# Altium PCB praxis_top_level_pcbdoc_v2.PcbDoc (part 3 of 4)
Units mm, origin at the board's own origin, x right, y up, seen from the top; angles counter-clockwise.
Board outline 152.4 x 79.5 mm, 4 copper layers (Top Layer, Int1 (GND), Int2 (PWR), Bottom Layer), stack 1.273 mm thick; 303 components, 266 nets, 1011 pads, 507 vias.
Unrouted connection lines stored in the file: 1.
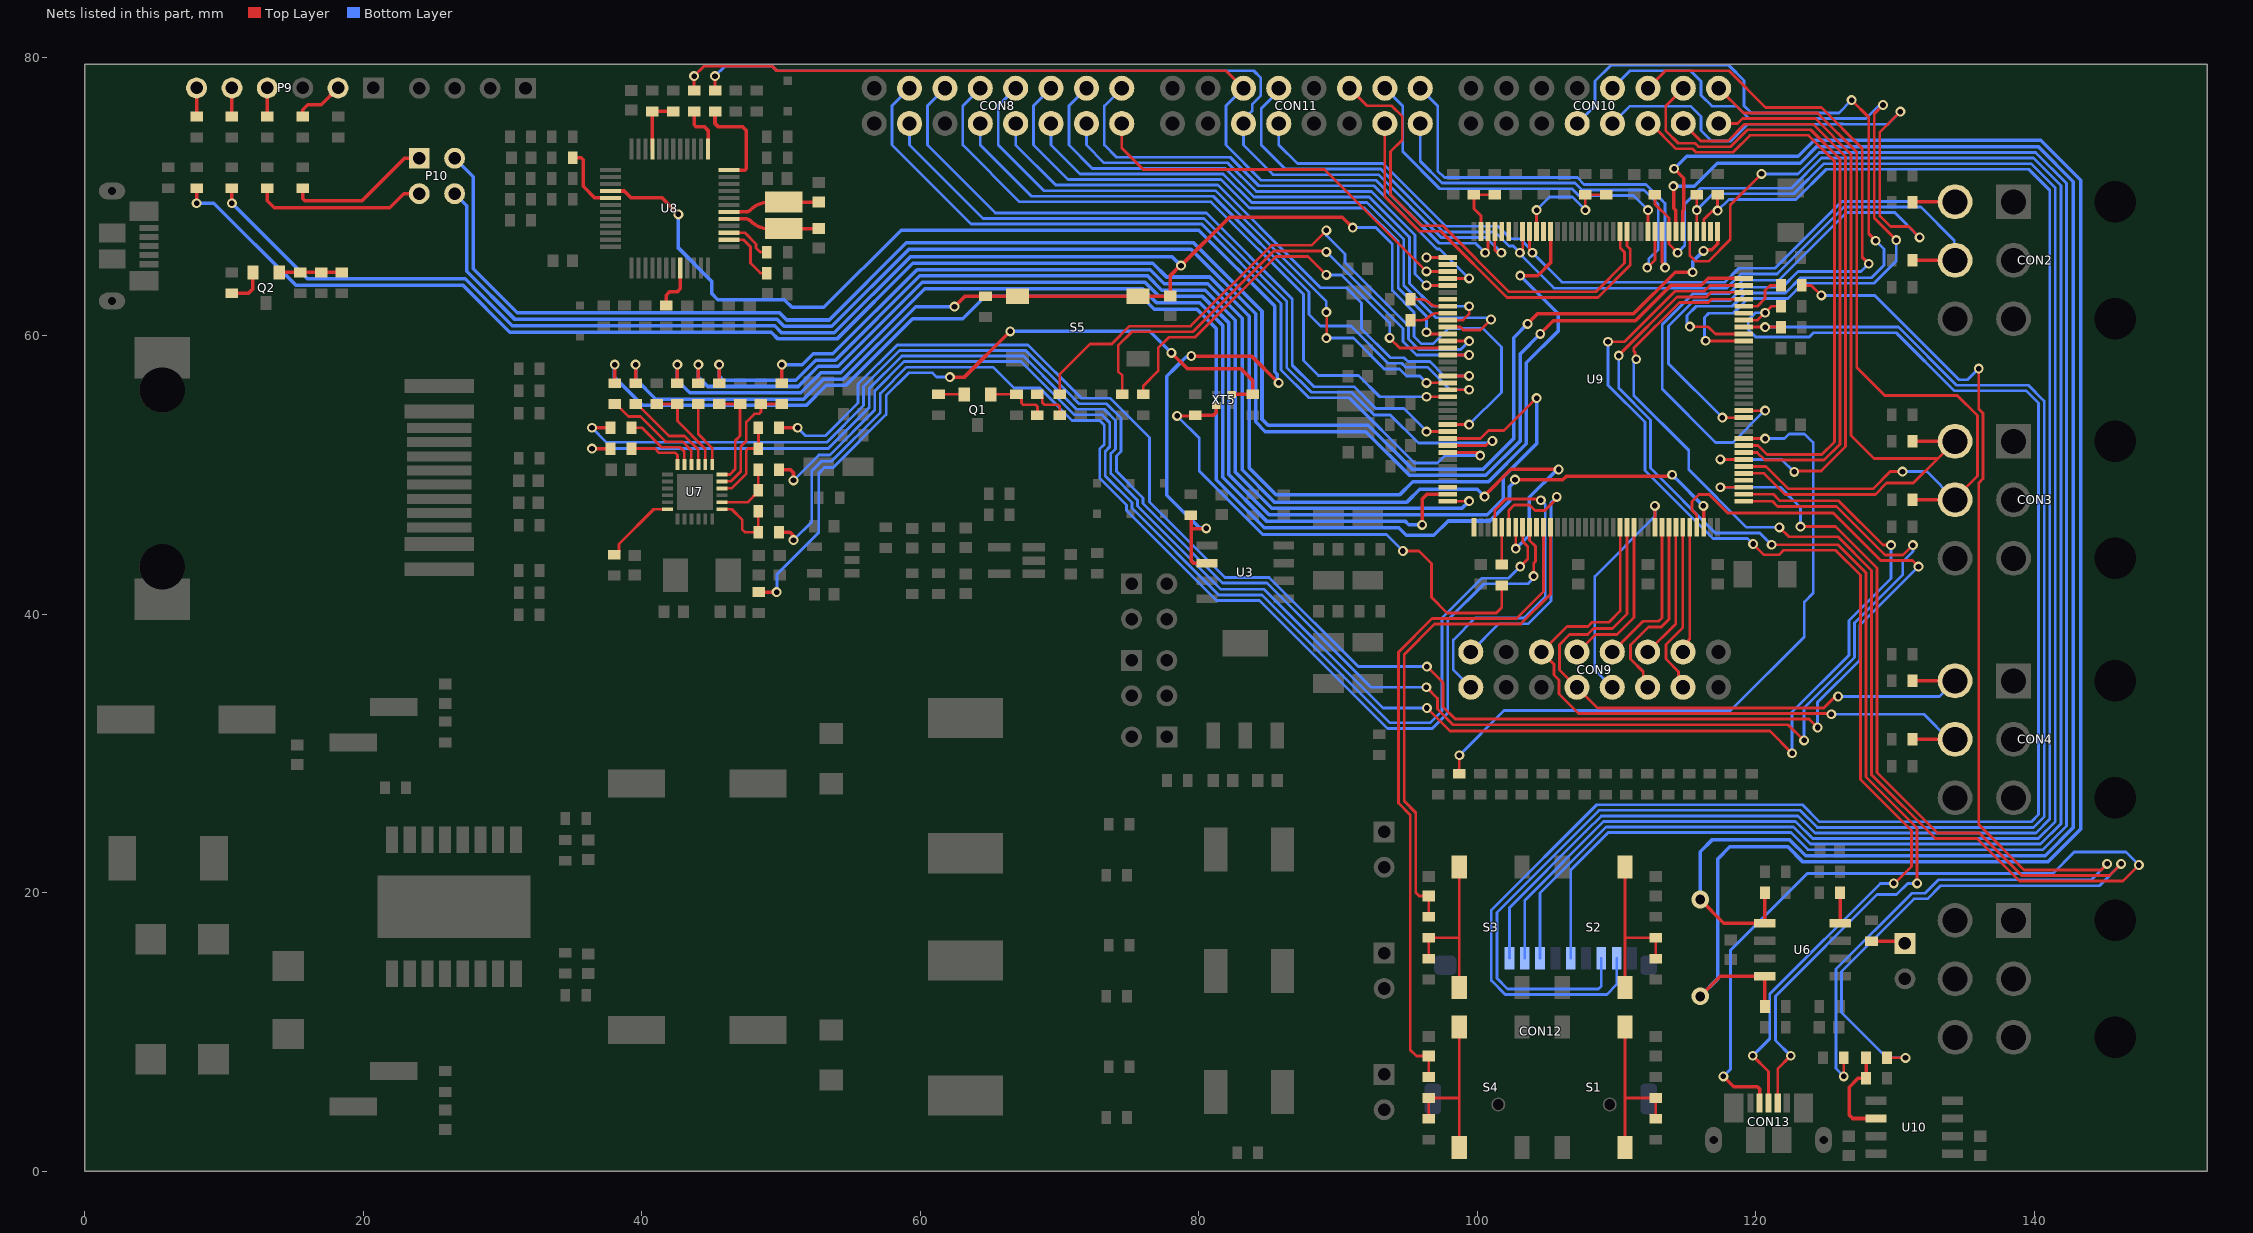
[diagram p5: the nets of this part, all layers, seen from the top]

## Via types
v1: diameter 0.711, hole 0.4, Top Layer to Bottom Layer, 343 vias
v2: diameter 1.27, hole 0.711, Top Layer to Bottom Layer, 160 vias
v3: diameter 5, hole 3, Top Layer to Bottom Layer, 4 vias

## Nets (pads, with @x,y where several pads share a name; then routed paths per layer and width w, separated by ;. In a path a pad name is that pad's centre, name@x,y a point inside that pad or via, vN(x,y) a via of type N, cw(c..) or ccw(c..) an arc to the next point about the centre after c; other vN are vias at no path point) (continued)
NetJ7_2: J7.2 R35.1 U7.12 | length 7.4
  Top Layer w0.2: J7.2@45.55,55.1 R35.1@47.05,55.1 47.05,52.817 46.7,52.467 46.7,50.435 46.315,50.05 U7.12@45.75,50.05
NetJ8_2: J8.2 U7.13 | length 4.8
  Top Layer w0.2: J8.2@44.05,55.1 44.05,52.95 45.044,51.956 U7.13@45.044,50.756
NetJ9_2: J9.2 U7.15 | length 6.9
  Top Layer w0.2: J9.2@39.55,55.1 39.65,55.1 41.95,52.8 43.069,52.8 44.044,51.825 U7.15@44.044,50.756
NetJ10_2: J10.2 U7.16 | length 7.9
  Top Layer w0.2: J10.2@38.05,55.1 38.15,55.1 39.046,54.204 39.896,54.204 41.7,52.4 42.903,52.4 43.544,51.759 U7.16@43.544,50.756
NetJ11_2: J11.2 U7.17 | length 5.4
  Top Layer w0.2: J11.2@39.25,53.4 40,53.4 41.4,52 42.737,52 43.044,51.693 U7.17@43.044,50.756
NetJ12_2: J12.2 U7.18 | length 4.2
  Top Layer w0.2: J12.2@39.25,51.9 40.934,51.9 41.234,51.6 42.4,51.6 42.55,51.45 U7.18@42.55,50.75
NetJ13_2: J13.2 R50.2 U7.10 | length 6.3
  Top Layer w0.2: U7.10@45.75,49.05 46.447,49.05 47.5,50.103 47.5,51.783 47.617,51.9 R50.2@48.35,51.9 48.375,51.925 48.375,53.375 J13.2@48.35,53.4
NetJ16_1: J16.1 U8.12 | length 7.3
  Top Layer w0.254: J16.1@45.25,76.117 45.25,75.25 45.5,75 47.25,75 47.5,74.75 47.5,72 47.4,71.9 U8.12@46.267,71.9
NetJ17_1: J17.1 U8.13 | length 3.5
  Top Layer w0.254: J17.1@43.75,76.117 43.75,75.149 43.899,75 44.5,75 44.75,74.75 U8.13@44.75,73.417
NetJ19_1: J19.1 J20.2 U8.21 | length 4.2
  Top Layer w0.254: U8.21@40.75,73.417 J19.1@40.75,76.117 J20.2@42.25,76.117
NetJ22_2: J22.2 P10.1 | length 10.4
  Top Layer w0.254: J22.2@15.64,70.6 15.64,69.86 15.8,69.7 19.9,69.7 22.95,72.75 P10.1@24.01,72.75
NetJ23_2: J23.2 P10.3 | length 12.4
  Top Layer w0.254: J23.2@13.1,70.6 13.1,69.7 13.6,69.2 21.9,69.2 22.9,70.2 24,70.2 P10.3@24.01,70.21
NetJ26_1: J26.1 R14.2 | length 2.8
  Top Layer w0.2: R14.2@68.4,55.8 68.5,55.8 68.75,55.55 68.75,55.217 68.917,55.05 69.883,55.05 70,54.933 J26.1@70,54.3
NetJ37_2: J37.2 R83.1 XT5.1 | length 37.1
  Top Layer w0.2: v1(78.437,54.25) 79.7,54.25 R83.1@79.75,54.3 ; v1(94.65,44.55) 95.8,44.55 96.7,43.65 96.7,41.225 97.825,40.1 101.35,40.1 101.75,40.5 J37.2@101.75,42.075
  Top Layer w0.254: R83.1@79.75,54.3 81.05,54.3 81.25,54.5 XT5.1@81.25,55
  Bottom Layer w0.2: v1(78.437,54.25) 80.025,52.661 80.025,50.281 84.581,45.725 93.475,45.725 v1(94.65,44.55)
NetJ40_2: J40.2 R106.2 U10.2 | length 7
  Top Layer w0.254: J40.2@127.91,8.15 R106.2@127.91,6.7 127.888,6.678 127.328,6.678 126.7,6.05 126.7,4.05 126.955,3.795 U10.2@128.623,3.795
NetP7_1: P7.1 R26.1 | length 2.5
  Top Layer w0.254: R26.1@128.3,16.524 130.54,16.524 P7.1@130.7,16.364
NetP9_2: P9.2 R71.2 | length 3.7
  Top Layer w0.254: R71.2@15.64,75.75 15.64,76.24 16,76.6 16.98,76.6 P9.2@18.18,77.8
NetP9_4: P9.4 R72.2 | length 2.1
  Top Layer w0.254: R72.2@13.1,75.75 P9.4@13.1,77.8
NetP9_5: P9.5 R73.2 | length 2.1
  Top Layer w0.254: R73.2@10.56,75.75 P9.5@10.56,77.8
NetP9_6: P9.6 R74.2 | length 2.1
  Top Layer w0.254: R74.2@8.02,75.75 P9.6@8.02,77.8
NetQ1_1: Q1.1 R14.1 R16.2 | length 4.6
  Top Layer w0.2: Q1.1@65.05,55.8 67,55.8 67.25,55.55 67.25,55.167 67.367,55.05 68.283,55.05 68.4,54.933 R14.1@68.4,54.3
NetQ1_2: Q1.2 R15.2 | length 1.9
  Top Layer w0.2: R15.2@61.3,55.8 Q1.2@63.15,55.8
NetQ2_1: Q2.1 R65.1 R66.1 R68.2 | length 4.5
  Top Layer w0.254: Q2.1@13.96,64.55 R65.1@15.46,64.55 R68.2@16.96,64.55 R66.1@18.46,64.55
NetQ2_2: Q2.2 R67.1 | length 2.8
  Top Layer w0.254: R67.1@10.56,63.05 11.75,63.05 12.06,63.36 Q2.2@12.06,64.55
NetR7_2: R7.2 U3.2 U8.28 | length 90.7
  Top Layer w0.254: U8.28@37.733,70.4 38.725,70.4 39.225,69.9 41.45,69.9 v1(42.625,68.725) ; R7.2@79.426,47.123 79.463,47.086 79.463,46.14 ; v1(79.45,58.55) 83.774,58.55 85.7,56.624 v1(85.72,56.624) ; v1(80.529,46.172) 80.497,46.14 79.463,46.14 ; U3.2@80.594,43.67 79.612,43.67 79.463,43.819 79.463,46.14
  Bottom Layer w0.254: v1(42.625,68.725) 42.625,66.304 45,63.929 45,63.05 45.446,62.604 50.221,62.604 50.78,62.045 53.07,62.045 58.612,67.587 79.991,67.587 85.437,62.141 85.437,57.421 85.632,57.226 85.632,56.711 v1(85.72,56.624) ; v1(79.45,58.55) 79.363,58.463 79.058,58.463 78.32,57.724 77.7,57.104 77.7,48.55 80.037,46.213 80.487,46.213 v1(80.529,46.172)
NetR25_1: R25.1 U6.8 | length 2.2
  Top Layer w0.254: U6.8@126.046,17.824 R25.1@126.046,20
NetR36_1: R36.1 R43.1 U7.14 | length 6.7
  Top Layer w0.2: R36.1@41.05,55.1 R43.1@42.55,55.1 42.55,53.884 44.544,51.89 U7.14@44.544,50.756
NetR37_1: R37.1 R42.1 U7.11 | length 8.8
  Top Layer w0.2: U7.11@45.75,49.55 46.381,49.55 47.1,50.269 47.1,52.066 47.5,52.466 47.5,53.826 48.074,54.4 48.4,54.4 48.55,54.55 R37.1@48.55,55.1 R42.1@50.05,55.1
NetR38_1: R38.1 R41.2 U7.8 | length 4.5
  Top Layer w0.2: U7.8@45.75,48.05 47.625,48.05 47.625,48.075 48.35,48.8 R38.1@48.35,48.9 R41.2@48.35,50.4
NetR39_1: R39.1 R40.1 U7.7 | length 5.2
  Top Layer w0.2: U7.7@45.75,47.55 46.45,47.55 47.2,46.8 47.2,46.1 47.4,45.9 R40.1@48.35,45.9 R39.1@48.35,47.4
NetR45_2: R45.2 U7.24 | length 5.5
  Top Layer w0.2: R45.2@38.004,44.283 38.1,44.283 38.35,44.533 38.35,45.05 40.85,47.55 U7.24@41.85,47.55 ; R45.2@38.3,44.505 R45.2@38.304,44.509
NetR54_2: R54.2 U8.44 | length 3.4
  Top Layer w0.254: R54.2@41.75,62.183 41.75,62.925 41.975,63.15 42.525,63.15 42.75,63.375 U8.44@42.75,64.883
NetR59_2: R59.2 U8.2 | length 4.4
  Top Layer w0.2: U8.2@46.267,66.9 47.3,66.9 47.8,66.4 47.8,65.217 48.517,64.5 R59.2@48.967,64.5
NetR60_1: R60.1 U8.3 | length 3.4
  Top Layer w0.2: U8.3@46.267,67.4 47.4,67.4 48.2,66.6 48.2,66.317 48.517,66 R60.1@48.967,66
NetR63_2: R63.2 U8.29 | length 5
  Top Layer w0.254: R63.2@35.025,72.8 35.626,72.8 35.775,72.651 35.775,70.731 36.606,69.9 U8.29@37.733,69.9
NetR97_2: R97.2 R98.2 S1.1 S1.2 | length 12.4
  Top Layer w0.2: S1.2@110.6,1.7 110.6,5.3 ; S1.1@110.6,10.35 110.6,5.3 ; R98.2@112.8,3.775 R97.2@112.8,5.275 110.625,5.275 110.6,5.3
NetR99_2: R99.2 R100.2 S2.1 S2.2 | length 12.4
  Top Layer w0.2: S2.2@110.6,13.2 110.6,16.8 ; S2.1@110.6,21.85 110.6,16.8 ; R100.2@112.8,15.275 R99.2@112.8,16.775 110.625,16.775 110.6,16.8
NetR101_2: R101.2 R102.2 S3.1 S3.2 | length 12.4
  Top Layer w0.2: R102.2@96.5,15.275 R101.2@96.5,16.775 98.675,16.775 98.7,16.8 ; S3.1@98.7,13.2 98.7,16.8 ; S3.2@98.7,21.85 98.7,16.8
NetR103_2: R103.2 R104.2 S4.1 S4.2 | length 12.4
  Top Layer w0.2: R104.2@96.5,3.775 R103.2@96.5,5.275 98.675,5.275 98.7,5.3 ; S4.1@98.7,1.7 98.7,5.3 ; S4.2@98.7,10.35 98.7,5.3
NRTS: C70.2 J9.1 J24.2 R105.1 S5.1 S5.2 U9.25 | length 162.8
  Top Layer w0.2: U9.25@97.875,53.625 v1(99.408,53.625)
  Top Layer w0.254: v1(10.56,69.525) J24.2@10.56,70.6 ; J9.1@39.55,56.6 v1(39.55,57.932) ; v1(62.45,62.1) 63.2,62.85 R105.1@64.675,62.85 S5.1@66.975,62.85 S5.2@75.625,62.85 C70.2@77.925,62.85 77.925,64.3 78.671,65.046 v1(78.712,65.046) 82.192,68.527 90.298,68.527 v1(91.05,67.775)
  Bottom Layer w0.2: v1(91.05,67.775) 92.696,67.775 93.89,66.581 93.89,63.256 95.45,61.696 95.45,59.95 95.975,59.425 96.823,59.425 97.918,60.52 100.405,60.52 101.725,59.2 101.725,55.942 v1(99.408,53.625)
  Bottom Layer w0.254: v1(10.56,69.525) 15.985,64.1 27.317,64.1 30.696,60.721 49.528,60.721 50.02,60.229 53.822,60.229 59.259,65.666 78.092,65.666 v1(78.712,65.046) ; v1(39.55,57.932) 39.55,56.9 40.996,55.454 51.605,55.454 53.048,56.896 54.465,56.896 59.668,62.1 v1(62.45,62.1)
OSC_25M: R44.2 R87.1 XT5.3 | length 51.4
  Top Layer w0.254: R44.2@48.4,41.6 v1(49.675,41.6) ; v1(62.111,57.04) 63.165,57.04 v1(66.45,60.325) ; v1(78.025,58.775) 79.15,57.65 83.009,57.65 83.85,56.809 R87.1@83.85,55.8 XT5.3@82.35,55.8
  Bottom Layer w0.2: v1(49.675,41.6) 49.694,41.619 49.694,42.878 52.699,45.883 52.699,50.135 53.102,50.538 53.737,50.538 57.539,54.34 57.539,55.707 59.182,57.35 60.873,57.35 ; 60.873,57.323 61.156,57.04 v1(62.111,57.04)
  Bottom Layer w0.254: v1(66.45,60.325) 76.475,60.325 v1(78.025,58.775)
OSC_IN: C34.2 U8.5 XT2.2 | length 6.6
  Top Layer w0.254: U8.5@46.267,68.4 47.438,68.4 cw(c47.438,67.888) 47.8,68.25 ccw(c49.14,69.59) 49.14,67.695 50.175,67.695 50.185,67.705 C34.2@52.7,67.705
OSC_OUT: C35.2 U8.6 XT2.1 | length 6.6
  Top Layer w0.254: U8.6@46.267,68.9 47.438,68.9 ccw(c47.438,69.412) 47.8,69.05 cw(c49.14,67.71) 49.14,69.605 XT2.1@50.175,69.605 C35.2@52.7,69.605
OTG_FS_VB: J42.1 R84.1 | length 91.5
  Top Layer w0.2: R84.1@123.3,63.625 123.975,63.625 v1(124.7,62.9) ; v1(126.31,6.818) J42.1@126.31,8.15 ; v1(136,57.65) 136,54.748 136.304,54.444 136.304,49.742 136,49.438 136,24.907 139.257,21.65 144.8,21.65 v1(145.225,22.075)
  Bottom Layer w0.2: v1(124.7,62.9) 128.531,62.9 134.581,56.85 135.2,56.85 v1(136,57.65) ; v1(126.31,6.818) 125.746,7.382 125.746,14.521 131.196,19.97 132.146,19.97 133.116,20.94 144.09,20.94 v1(145.225,22.075)
PDR_ON: R85.1 R88.2 U9.143 | length 4.3
  Top Layer w0.2: U9.143@100.25,67.5 100.25,68.625 99.75,69.125 R88.2@99.75,70.125 R85.1@101.25,70.125
Port_A0: U9.34
Port_A1: R43.2 U9.35 | length 76.7
  Top Layer w0.254: R43.2@42.55,56.6 v1(42.55,57.932) ; v1(96.025,46.421) 96.025,48.275 96.375,48.625 U9.35@97.875,48.625
  Bottom Layer w0.254: v1(42.55,57.932) 42.55,56.8 43.442,55.908 51.417,55.908 52.86,57.35 54.277,57.35 60.301,63.375 75.957,63.375 76.957,62.375 80.067,62.375 81.704,60.738 81.704,49.848 84.852,46.7 94.799,46.7 95.077,46.421 v1(96.025,46.421)
Port_A2: J7.1 U9.36 | length 74.3
  Top Layer w0.2: U9.36@97.875,48.125 v1(99.408,48.125)
  Top Layer w0.254: J7.1@45.55,56.6 v1(45.55,57.932)
  Bottom Layer w0.254: v1(45.55,57.932) 45.55,57.112 45.846,56.816 51.041,56.816 52.483,58.258 53.901,58.258 59.946,64.304 76.312,64.304 77.333,63.283 80.443,63.283 82.613,61.113 82.613,50.223 85.224,47.612 98.895,47.612 v1(99.408,48.125)
Port_A3: U9.37
Port_A4: CON9.1 U9.40 | length 23.8
  Top Layer w0.2: U9.40@101.25,46.25 101.25,47.492 102.033,48.275 104.475,48.275 v1(104.558,48.192)
  Bottom Layer w0.2: CON9.1@99.525,34.76 98.271,36.014 98.271,38.171 99.831,39.731 103.356,39.731 104.875,41.25 104.875,47.875 v1(104.558,48.192)
Port_A5: J37.1 U9.41 | length 2.7
  Top Layer w0.2: J37.1@101.75,43.575 U9.41@101.75,46.25
Port_A6: CON9.16 U9.42 | length 20.4
  Top Layer w0.2: U9.42@102.25,46.25 102.25,47.463 102.637,47.85 103.75,47.85 104.137,47.463 104.833,47.463 105.696,48.326 v1(105.696,48.429)
  Bottom Layer w0.2: CON9.16@99.525,37.3 101.556,39.331 103.656,39.331 105.275,40.95 105.275,48.025 105.675,48.425 105.691,48.425 v1(105.696,48.429)
Port_A7: R42.2 U9.43 | length 83.2
  Top Layer w0.2: v1(102.75,44.717) U9.43@102.75,46.25
  Top Layer w0.254: R42.2@50.05,56.6 v1(50.05,57.932) ; v1(100.521,48.459) 100.521,48.538 102.395,50.412 105.821,50.412 v1(105.83,50.402)
  Bottom Layer w0.254: v1(50.05,57.932) 51.515,57.932 52.295,58.712 53.712,58.712 59.758,64.758 76.5,64.758 77.521,63.737 80.631,63.737 83.1,61.268 83.1,50.378 85.412,48.066 94.941,48.066 95.85,48.975 99.996,48.975 100.512,48.459 v1(100.521,48.459) ; v1(102.75,44.717) 103.725,45.692 103.725,48.4 105.727,50.402 v1(105.83,50.402)
Port_A8: U9.100
Port_A9: R84.2 U9.101 | length 3.6
  Top Layer w0.2: U9.101@119.125,62.125 120.1,62.125 120.658,62.683 120.658,63.258 121.025,63.625 R84.2@121.8,63.625
Port_A10: CON13.4 U9.102 | length 119.4
  Top Layer w0.2: v1(111.408,58.32) 111.31,58.418 111.31,58.832 111.227,58.916 111.227,59.116 114.509,62.398 116.595,62.398 116.822,62.625 U9.102@119.125,62.625 ; v1(121.684,46.25) 122.365,45.57 125.882,45.57 128.3,43.152 128.3,28.484 132.884,23.9 135.876,23.9 138.926,20.85 146.35,20.85 v1(147.5,22)
  Top Layer w0.254: v1(117.66,6.818) 118.397,6.082 120.111,6.082 120.26,5.933 CON13.4@120.26,4.9
  Bottom Layer w0.2: v1(111.408,58.32) 111.227,58.139 111.227,55.729 115.174,51.782 115.174,50.397 119.322,46.25 v1(121.684,46.25) ; v1(117.66,6.818) 118.175,7.333 118.175,15.875 123.689,21.389 141.324,21.389 142.86,22.925 146.575,22.925 v1(147.5,22)
Port_A11: CON13.2 U9.103 | length 84.4
  Top Layer w0.2: v1(110.15,58.575) 110.15,58.604 114.344,62.798 116.429,62.798 116.756,63.125 U9.103@119.125,63.125 ; v1(121.125,45) 125.886,45 127.9,42.986 127.9,28.319 131.575,24.644 v1(131.575,20.679) ; CON13.2@121.56,4.9 121.56,7.36 v1(122.5,8.3)
  Bottom Layer w0.2: v1(110.15,58.575) 110.15,56.241 112.425,53.966 112.425,50.506 117.081,45.85 120.275,45.85 v1(121.125,45) ; v1(122.5,8.3) 121.397,9.403 121.397,12.574 128.699,19.876 130.1,19.876 130.903,20.679 v1(131.575,20.679)
Port_A12: CON13.3 U9.104 | length 85.9
  Top Layer w0.2: v1(109.375,59.575) 110.555,59.575 114.178,63.198 116.263,63.198 116.69,63.625 U9.104@119.125,63.625 ; v1(119.775,8.3) 120.91,7.165 CON13.3@120.91,4.9 ; v1(119.8,45.05) 120.575,44.275 121.65,44.275 121.975,44.6 125.72,44.6 127.5,42.82 127.5,28.153 131.175,24.478 131.175,21.898 129.957,20.679 v1(129.9,20.679)
  Bottom Layer w0.2: v1(109.375,59.575) 109.375,56.45 112.025,53.8 112.025,50.341 116.916,45.45 119.4,45.45 v1(119.8,45.05) ; v1(119.775,8.3) 120.997,9.522 120.997,12.74 128.936,20.679 v1(129.9,20.679)
Port_A13: P10.4 U9.105 | length 122.4
  Top Layer w0.254: v1(104.513,60.142) 105.446,61.075 111.35,61.075 113.9,63.625 116.086,63.625 116.586,64.125 U9.105@119.125,64.125
  Bottom Layer w0.254: P10.4@26.55,70.21 27.425,69.335 27.425,64.634 30.884,61.175 49.716,61.175 50.208,60.683 53.634,60.683 59.176,66.225 79.427,66.225 84.075,61.577 84.075,53.825 84.776,53.124 91.976,53.124 95.121,49.979 100.603,49.979 103.059,52.436 103.059,58.689 v1(104.513,60.142)
Port_A14: P10.2 U9.109 | length 125.2
  Top Layer w0.254: v1(103.602,60.864) 104.313,61.575 111.208,61.575 114.197,64.564 v1(115.449,64.564) ; v1(116.237,66.096) 116.324,66.184 116.823,66.184 117.25,66.611 U9.109@117.25,67.5
  Bottom Layer w0.254: P10.2@26.55,72.75 27.879,71.421 27.879,64.822 31.051,61.65 49.883,61.65 50.396,61.137 53.446,61.137 58.988,66.679 79.615,66.679 84.529,61.765 84.529,54.013 84.964,53.578 92.164,53.578 95.309,50.433 100.415,50.433 102.605,52.624 102.605,59.867 v1(103.602,60.864) ; v1@115.45,64.565 115.45,65.309 v1(116.237,66.096)
Port_A15: U9.110
Port_B0: U9.46
Port_B1: C69.2 R103.1 U9.47 | length 48.7
  Top Layer w0.2: R103.1@96.5,6.775 C69.2@96.5,8.275 95.625,8.275 95.175,8.725 95.175,25.59 94.327,26.438 94.327,37.277 96.75,39.7 102.8,39.7 104.75,41.65 U9.47@104.75,46.25
Port_B2: C68.2 R101.1 U9.48 | length 37.1
  Top Layer w0.2: R101.1@96.5,18.275 C68.2@96.5,19.775 95.825,19.775 95.575,20.025 95.575,25.756 94.75,26.581 94.75,37.135 96.915,39.3 103.107,39.3 105.25,41.443 U9.48@105.25,46.25
Port_B3: J25.2 U9.133 | length 136.6
  Top Layer w0.254: v1(8.02,69.525) J25.2@8.02,70.6 ; v1(103.075,64.325) 104.325,64.325 105.25,65.25 U9.133@105.25,67.5
  Bottom Layer w0.254: v1(8.02,69.525) 9.25,69.525 15.129,63.646 27.129,63.646 30.508,60.267 49.283,60.267 49.775,59.775 54.01,59.775 59.447,65.212 76.688,65.212 77.675,64.225 80.785,64.225 83.607,61.403 83.607,50.514 85.545,48.575 94.4,48.575 95.35,49.525 100.791,49.525 103.513,52.248 103.513,58.056 105.801,60.343 105.801,61.599 v1(103.075,64.325)
Port_B4: U9.134
Port_B5: R90.1 R96.1 U9.135 | length 8.4
  Top Layer w0.2: U9.135@104.25,67.5 v1(104.25,69.033) ; v1(107.75,69.033) R96.1@107.75,70.125 R90.1@109.25,70.125
  Bottom Layer w0.2: v1(104.25,69.033) 105.181,69.963 106.819,69.963 v1(107.75,69.033)
Port_B6: CON2.4 CON11.12 D13.1 U9.136 | length 61.4
  Top Layer w0.2: U9.136@103.75,67.5 103.75,66.167 v1(103.95,65.967)
  Top Layer w0.254: D13.1@131.247,69.6 D13.1@131.271,69.624 ; D13.1@131.247,69.624 D13.1@131.271,69.624 ; CON2.4@134.3,69.624 D13.1@131.271,69.624
  Bottom Layer w0.2: CON11.12@85.732,75.24 85.732,73.718 87.075,72.375 93.225,72.375 97.735,67.866 101.497,67.866 102.391,66.972 103.049,66.972 103.95,66.071 v1(103.95,65.967) 106.063,63.855 117.77,63.855 118.766,64.85 121.359,64.85 126.162,69.652 134.272,69.652 CON2.4@134.3,69.624
Port_B7: CON2.5 CON11.5 D12.1 U9.137 | length 68.2
  Top Layer w0.2: v1(103.05,65.967) 103.25,66.167 U9.137@103.25,67.5
  Top Layer w0.254: D12.1@131.247,65.424 CON2.5@134.3,65.424
  Bottom Layer w0.2: CON11.5@85.732,77.78 85.732,77.582 84.478,76.328 84.478,73.7 86.204,71.975 93.06,71.975 97.569,67.466 101.256,67.466 102.277,66.445 102.572,66.445 v1(103.05,65.967) 103.05,65.864 105.489,63.425 117.906,63.425 118.931,64.45 121.525,64.45 126.327,69.252 131.848,69.252 134.243,66.857 134.243,65.481 CON2.5@134.3,65.424
Port_B8: U9.139
Port_B9: U9.140
Port_B10: J13.1 U9.69 | length 128.6
  Top Layer w0.2: v1(96.375,36.25) 97.525,35.1 97.525,33.359 98.409,32.475 123.825,32.475 v1(124.425,31.875) ; U9.69@115.75,46.25 115.75,47.125 115.4,47.475 115.4,48.1 115.9,48.6 116.65,48.6 117.975,47.275 125.55,47.275 128.967,43.858 131.242,43.858 v1(131.675,43.425)
  Top Layer w0.254: J13.1@49.85,53.4 v1(51.182,53.4)
  Bottom Layer w0.2: v1(51.182,53.4) 51.757,52.825 53.177,52.825 55.52,55.168 55.52,56.536 58.334,59.35 67.729,59.35 71.553,55.526 73.61,55.526 76.446,52.689 76.446,48.069 81.865,42.65 85.044,42.65 91.444,36.25 v1(96.375,36.25) ; v1(124.425,31.875) 124.425,33.684 127.475,36.734 127.475,39.225 v1(131.675,43.425)
Port_B11: J10.1 U9.70 | length 103
  Top Layer w0.254: J10.1@38.05,56.7 v1(38.05,57.932) ; v1(102.7,49.675) 102.709,49.666 106.135,49.666 106.394,49.925 113.875,49.925 v1(113.977,50.027) ; v1(116.225,47.783) 116.25,47.758 U9.70@116.25,46.25
  Bottom Layer w0.254: v1(38.05,57.932) 38,57.881 38,57.05 40.05,55 51.793,55 53.236,56.442 54.653,56.442 59.435,61.225 63.033,61.225 64.658,62.85 75.84,62.85 76.782,61.908 79.866,61.908 81.25,60.523 81.25,49.66 84.685,46.225 94.35,46.225 94.901,45.674 96.865,45.674 97.895,46.704 100.887,46.704 102.304,48.121 102.304,49.156 102.7,49.552 v1(102.7,49.675) ; v1(113.977,50.027) 113.999,50.005 113.999,49.925 114.162,49.762 114.246,49.762 v1@116.237,47.77
Port_B12: J11.1 U9.73 | length 138.6
  Top Layer w0.2: v1(96.332,34.763) 97.125,33.969 97.125,33.194 98.244,32.075 122.315,32.075 123.44,30.95 v1(123.462,30.95) ; U9.73@119.125,48.125 121.184,48.125 121.557,47.752 125.784,47.752 129.271,44.265 130.565,44.265 v1(131.275,44.975)
  Top Layer w0.254: v1(36.418,53.4) J11.1@37.75,53.4
  Bottom Layer w0.2: v1(36.418,53.4) 37.464,52.354 53.271,52.354 55.92,55.003 55.92,56.37 58.5,58.95 67.563,58.95 70.553,55.96 71.387,55.126 73.368,55.126 74.4,54.093 74.4,51.7 74.074,51.375 74.074,50.276 75.992,48.358 75.992,47.957 81.699,42.25 84.879,42.25 92.366,34.763 v1(96.332,34.763) ; v1(123.462,30.95) 123.462,33.287 127.075,36.9 127.075,39.391 130.55,42.866 130.55,43.8 131.275,44.525 v1(131.275,44.975)
Port_B13: J12.1 U9.74 | length 135.8
  Top Layer w0.2: v1(96.375,33.275) 98.025,31.625 121,31.625 v1(122.6,30.025) ; U9.74@119.125,48.625 121.25,48.625 121.723,48.152 125.95,48.152 129.127,44.975 v1(129.7,44.975)
  Top Layer w0.254: v1(36.418,51.9) J12.1@37.75,51.9
  Bottom Layer w0.2: v1(36.418,51.9) 53.383,51.9 56.32,54.837 56.32,56.204 58.666,58.55 67.397,58.55 70.153,55.795 71.222,54.726 73.202,54.726 74,53.928 74,51.866 73.674,51.54 73.674,50.11 75.592,48.192 75.592,47.791 81.587,41.796 84.691,41.796 93.212,33.275 v1(96.375,33.275) ; v1(122.6,30.025) 122.6,32.991 126.675,37.066 126.675,39.556 129.7,42.581 v1(129.7,44.975)
Port_B14: J40.1 U9.75 | length 85.2
  Top Layer w0.2: v1(117.45,49.125) U9.75@119.125,49.125 ; v1(123.2,46.3) 125.717,46.3 128.7,43.317 128.7,28.65 133.05,24.3 136.041,24.3 139.091,21.25 145.403,21.25 146.225,22.072 v1(146.225,22.075) ; J40.1@129.41,8.15 v1(130.742,8.15)
  Bottom Layer w0.2: v1(117.45,49.125) 121.749,49.125 123.2,47.674 v1(123.2,46.3) ; v1(130.742,8.15) 129.4,8.15 126.146,11.404 126.146,14.355 131.362,19.57 132.312,19.57 133.253,20.511 144.664,20.511 146.225,22.072 v1(146.225,22.075)
Port_B15: U9.76
Port_C0: CON8.6 U9.26 | length 53.2
  Top Layer w0.2: v1(96.342,53.125) U9.26@97.875,53.125
  Bottom Layer w0.2: CON8.6@61.76,77.78 60.506,76.526 60.506,73.7 65.381,68.825 80.1,68.825 80.531,68.825 86.702,62.654 86.702,57.892 88.244,56.35 91.128,56.35 92.703,54.775 94.723,54.775 v1@96.302,53.197
Port_C1: J8.1 U9.27 | length 93
  Top Layer w0.2: U9.27@97.875,52.625 100.231,52.625 100.806,53.2 101.917,53.2 v1(104.25,55.533)
  Top Layer w0.254: J8.1@44.05,56.6 v1(44.05,57.932)
  Bottom Layer w0.254: v1(44.05,57.932) 44.05,57.05 44.738,56.362 51.229,56.362 52.672,57.804 54.089,57.804 60.134,63.85 76.124,63.85 77.145,62.829 80.255,62.829 82.158,60.926 82.158,50.036 85.036,47.158 100.699,47.158 101.85,48.309 101.85,49.867 104.25,52.267 v1(104.25,55.533)
Port_C2: CON8.10 U9.28 | length 58.4
  Top Layer w0.2: U9.28@97.875,52.125 100.612,52.125 100.937,52.45 v1(101.075,52.45)
  Bottom Layer w0.2: CON8.10@59.22,75.24 59.22,73.7 64.495,68.425 80.366,68.425 86.302,62.489 86.302,57.726 88.078,55.95 90.962,55.95 92.587,54.325 93.742,54.325 95.767,52.3 100.702,52.3 100.755,52.352 100.977,52.352 v1(101.075,52.45)
Port_C3: CON8.7 U9.29 | length 61.7
  Top Layer w0.2: U9.29@97.875,51.625 99.975,51.625 v1(100.2,51.4)
  Bottom Layer w0.2: CON8.7@59.22,77.78 57.966,76.526 57.966,73.7 63.641,68.025 80.2,68.025 85.902,62.323 85.902,57.56 87.912,55.55 90.797,55.55 95.487,50.86 97.135,50.86 97.675,51.4 v1(100.2,51.4)
Port_C4: R41.1 U9.44 | length 83.6
  Top Layer w0.2: v1(103.075,43.425) 103.608,43.958 103.608,44.892 103.25,45.25 U9.44@103.25,46.25
  Top Layer w0.254: R41.1@49.85,50.4 50.65,50.4 50.885,50.165 v1(50.885,49.625)
  Bottom Layer w0.2: v1(50.885,49.625) 52.706,51.446 53.495,51.446 56.72,54.671 56.72,56.039 58.831,58.15 67.232,58.15 68.95,56.432 71.056,54.326 73.036,54.326 73.6,53.762 73.6,52.032 73.274,51.706 73.274,49.944 75.192,48.027 75.192,47.626 81.422,41.396 84.525,41.396 93.71,32.21 96.588,32.21 97.45,33.072 97.45,39.725 100.321,42.596 102.246,42.596 v1(103.075,43.425)
Port_C5: R40.2 U9.45 | length 88.6
  Top Layer w0.2: U9.45@103.75,46.25 103.75,45.316 104.175,44.891 104.175,43.8 104.04,43.665 v1(104.04,42.75)
  Top Layer w0.254: R40.2@49.85,45.9 50.629,45.9 50.885,45.644 v1(50.885,45.325)
  Bottom Layer w0.2: v1(50.885,45.325) 52.2,46.64 52.2,50.297 52.895,50.992 53.606,50.992 57.12,54.506 57.12,55.873 58.997,57.75 65.225,57.75 66.725,56.25 68.566,56.25 70.899,53.917 72.879,53.917 73.2,53.596 73.2,52.197 72.874,51.872 72.874,49.779 74.792,47.861 74.792,47.46 81.256,40.996 84.359,40.996 93.545,31.81 96.754,31.81 97.871,32.927 97.871,39.58 100.487,42.196 103.621,42.196 v1@104.108,42.683
Port_C6: CON10.4 U9.96 | length 54.4
  Top Layer w0.2: v1(116.384,59.644) 116.403,59.625 U9.96@119.125,59.625 ; v1(129.125,76.575) 128.5,75.95 128.5,68.45 v1(130.075,66.875)
  Bottom Layer w0.2: CON10.4@109.705,77.78 110.959,79.034 115.304,79.034 116.055,78.283 116.055,77.277 116.838,76.494 118.615,76.494 119.509,75.6 125.784,75.6 125.788,75.604 126.412,75.604 126.416,75.6 127.892,75.6 128.867,76.575 v1(129.125,76.575) ; v1(116.384,59.644) 116.3,59.728 116.3,61.315 116.61,61.625 118.369,61.625 119.43,62.685 122.291,62.685 123.381,63.775 128.475,63.775 130.075,65.375 v1(130.075,66.875)
Port_C7: CON10.12 U9.97 | length 58.8
  Top Layer w0.2: v1(115.253,60.657) 116.568,60.657 117.1,60.125 U9.97@119.125,60.125 ; v1(126.875,76.925) 128.1,75.7 128.1,67.33 v1(128.6,66.829)
  Bottom Layer w0.2: CON10.12@107.165,75.24 108.451,76.526 108.451,78.299 109.586,79.434 118.052,79.434 119.15,78.336 119.15,76.525 119.675,76 125.618,76 125.622,76.004 125.954,76.004 v1(126.875,76.925) ; v1(115.253,60.657) 115.05,60.86 115.05,61.457 115.718,62.125 118.304,62.125 119.264,63.085 122.126,63.085 123.215,64.175 128.309,64.175 129.2,65.066 129.2,66.23 v1(128.6,66.829)
Port_C8: CON12.7 R92.1 U9.98 | length 112.6
  Top Layer w0.2: U9.98@119.125,60.625 v1(120.658,60.625) R92.1@121.8,60.625
  Bottom Layer w0.2: CON12.7@108.9,15.3 108.9,13.321 108.679,13.1 102.166,13.1 101.4,13.866 101.4,18.592 107.608,24.8 108.733,25.925 123.184,25.925 124.409,24.7 139.942,24.7 140.7,25.458 140.7,55.334 139.584,56.45 134.416,56.45 130.241,60.625 v1(120.658,60.625)
Port_C9: CON12.8 R91.1 U9.99 | length 117.9
  Top Layer w0.2: U9.99@119.125,61.125 120.125,61.125 v1(120.658,61.658) 121.125,62.125 R91.1@121.8,62.125
  Bottom Layer w0.2: CON12.8@110,15.3 110,13.405 109.295,12.7 102,12.7 101,13.7 101,18.757 108.568,26.325 123.349,26.325 124.574,25.1 139.776,25.1 140.3,25.624 140.3,55.169 139.419,56.05 134.25,56.05 130.075,60.225 124.137,60.225 123.827,59.916 119.987,59.916 119.452,60.45 119.452,61.138 119.972,61.658 v1(120.658,61.658)
Port_C10: CON12.1 R95.1 U9.111 | length 120.2
  Top Layer w0.2: U9.111@116.25,67.5 116.25,68.351 116.542,68.643 116.834,68.935 117.195,68.935 v1(117.25,68.99) R95.1@117.25,70.125
  Bottom Layer w0.2: CON12.1@102.3,15.3 102.3,18.926 107.774,24.4 108.899,25.525 123.018,25.525 124.243,24.3 140.107,24.3 141.1,25.293 141.1,70.457 139.592,71.965 125.05,71.965 122.885,69.8 118.059,69.8 v1(117.25,68.99)
Port_C11: CON12.2 R94.1 U9.112 | length 121.6
  Top Layer w0.2: U9.112@115.75,67.5 v1(115.75,69.033) R94.1@115.75,70.125
  Bottom Layer w0.2: CON12.2@103.4,15.3 103.4,19.46 109.065,25.125 122.852,25.125 124.077,23.9 140.273,23.9 141.5,25.127 141.5,70.623 139.758,72.365 124.884,72.365 122.719,70.2 116.917,70.2 v1(115.75,69.033)
Port_C12: CON12.5 U9.113 | length 125
  Top Layer w0.2: U9.113@115.25,67.5 115.25,65.767 115.367,65.649 115.667,65.35 116.6,65.35 118.161,66.911 118.161,69.386 v1(120.4,71.625)
  Bottom Layer w0.2: CON12.5@106.7,15.3 106.7,21.629 109.396,24.325 122.521,24.325 123.746,23.1 140.604,23.1 142.3,24.796 142.3,70.954 140.089,73.165 124.553,73.165 123.013,71.625 v1(120.4,71.625)
Port_C13: U9.7
Port_C14: J31.2 U9.8 | length 2.8
  Top Layer w0.2: J31.2@95.2,62.625 95.911,62.625 cw(c95.911,61.686) 96.575,62.35 ccw(c97.118,62.893) 97.118,62.125 U9.8@97.875,62.125
Port_C15: J35.2 U9.9 | length 2.8
  Top Layer w0.2: J35.2@95.2,61.125 95.911,61.125 ccw(c95.911,62.064) 96.575,61.4 cw(c97.118,60.857) 97.118,61.625 U9.9@97.875,61.625
Port_D0: D18.1 U6.4 U9.114 | length 128.3
  Top Layer w0.254: v1(114.125,72) 114.812,71.313 114.812,69.057 114.75,68.995 U9.114@114.75,67.5 ; v2(116,12.569) 117.445,14.014 U6.4@120.646,14.014 D18.1@120.646,11.837
  Bottom Layer w0.254: v1(114.125,72) 115.025,72.9 123.042,72.9 124.188,74.046 140.454,74.046 143.335,71.165 143.335,24.584 140.969,22.219 123.381,22.219 122.3,23.3 118.125,23.3 117.275,22.45 117.275,13.844 v2(116,12.569)
Port_D1: D19.1 U6.1 U9.115 | length 120
  Top Layer w0.254: v1@114.1,70.75 114.1,69.153 114.25,69.003 U9.115@114.25,67.5 ; v2(116,19.519) 117.695,17.824 U6.1@120.646,17.824 D19.1@120.646,20
  Bottom Layer w0.254: v1(114.075,70.75) 115.575,70.75 117.225,72.4 123.184,72.4 124.376,73.592 140.266,73.592 142.8,71.058 142.8,24.692 140.781,22.673 123.569,22.673 122.442,23.8 116.843,23.8 116,22.957 v2(116,19.519)
Port_D2: CON12.3 R93.1 U9.116 | length 128.7
  Top Layer w0.2: R93.1@112.75,70.125 112.75,69.45 113.75,68.45 U9.116@113.75,67.5 113.75,66.592 v1(114.375,65.967)
  Bottom Layer w0.2: CON12.3@104.5,15.3 104.5,19.995 109.23,24.725 122.687,24.725 123.912,23.5 140.439,23.5 141.9,24.961 141.9,70.788 139.923,72.765 124.719,72.765 122.554,70.6 116.029,70.6 114.89,69.461 114.89,66.482 v1(114.375,65.967)
Port_D3: CON11.1 U9.117 | length 31.1
  Top Layer w0.2: U9.117@113.25,67.5 113.25,65.263 113.475,65.038 v1(113.475,64.9)
  Bottom Layer w0.2: CON11.1@95.892,77.78 97.146,76.526 97.146,71.848 97.629,71.366 107.176,71.366 107.667,70.875 112.116,70.875 113.219,69.772 113.475,69.516 v1(113.475,64.9)
Port_D4: CON11.16 U9.118 | length 28.8
  Top Layer w0.2: v1(112.198,64.895) 112.75,65.447 U9.118@112.75,67.5
  Bottom Layer w0.2: CON11.16@95.892,75.24 95.892,72.536 97.463,70.966 107.011,70.966 107.502,70.475 111.95,70.475 112.992,69.433 112.992,66.206 112.296,65.51 112.296,64.993 v1(112.198,64.895)
Port_D5: CON11.2 U9.119 | length 26
  Top Layer w0.2: U9.119@112.25,67.5 v1(112.25,69.033)
  Bottom Layer w0.2: CON11.2@93.352,77.78 94.638,76.494 94.638,73.225 97.297,70.566 106.782,70.566 107.273,70.075 111.211,70.075 112.25,69.036 v1(112.25,69.033)
Port_D6: CON11.15 U9.122 | length 29.6
  Top Layer w0.2: CON11.15@93.352,75.24 93.352,69.985 95.83,67.507 96.962,67.507 97.368,67.507 102.115,62.76 108.66,62.76 110.968,65.068 110.968,65.746 110.968,66.232 110.75,66.45 U9.122@110.75,67.5
  Bottom Layer w0.2: CON11.15@93.352,75.023 CON11.15@93.352,75.24
Port_D7: CON11.3 U9.123 | length 33.6
  Top Layer w0.2: CON11.3@90.812,77.78 92.066,76.526 93.84,76.526 94.606,75.759 94.606,74.081 93.752,73.227 93.752,70.151 95.996,67.907 97.533,67.907 102.281,63.16 108.494,63.16 110.568,65.234 110.568,66.007 110.25,66.325 U9.123@110.25,67.5
Port_D8: CON3.4 CON10.16 D15.1 U9.77 | length 58.3
  Top Layer w0.2: CON10.16@117.325,75.24 118.674,75.24 119.034,75.6 124.269,75.6 126.837,73.031 126.837,52.838 128.475,51.2 133.076,51.2 ; U9.77@119.125,50.125 120.587,50.125 122.1,48.611 128.577,48.611 129.391,49.425 131.301,49.425 133.076,51.2 ; CON3.4@134.3,52.424 133.076,51.2
  Top Layer w0.254: D15.1@131.247,52.424 CON3.4@134.3,52.424
Port_D9: CON3.5 CON10.1 D14.1 U9.78 | length 64.3
  Top Layer w0.2: CON10.1@117.325,77.78 119.105,76 124.434,76 127.237,73.197 127.237,57.738 129.25,55.725 134.457,55.725 135.904,54.278 135.904,49.929 134.3,48.325 CON3.5@134.3,48.224 ; U9.78@119.125,50.625 120.725,50.625 122.339,49.011 128.411,49.011 129.65,50.25 v1(130.525,50.25)
  Top Layer w0.254: D14.1@131.247,48.224 CON3.5@134.3,48.224
  Bottom Layer w0.2: v1(130.525,50.25) 132.274,50.25 CON3.5@134.3,48.224
Port_D10: CON10.15 U9.79 | length 46.2
  Top Layer w0.2: CON10.15@114.785,75.24 116.039,73.986 117.986,73.986 119.2,75.2 124.103,75.2 126.437,72.866 126.437,52.051 124.686,50.3 122.825,50.3 v1(122.75,50.225) ; v1(117.45,51.125) U9.79@119.125,51.125
  Bottom Layer w0.2: v1(117.45,51.125) 121.85,51.125 v1(122.75,50.225)
Port_D11: CON10.2 U9.80 | length 46
  Top Layer w0.2: CON10.2@114.785,77.78 113.531,76.526 113.531,74.721 114.422,73.83 115.629,73.83 115.873,73.586 118.193,73.586 119.407,74.8 123.937,74.8 126.037,72.7 126.037,52.217 124.895,51.075 120.639,51.075 120.089,51.625 U9.80@119.125,51.625
Port_D12: CON10.14 U9.81 | length 42.8
  Top Layer w0.2: CON10.14@112.245,75.24 112.446,75.24 114.256,73.43 115.463,73.43 115.707,73.186 118.358,73.186 119.572,74.4 123.772,74.4 125.637,72.534 125.637,52.383 124.73,51.475 120.804,51.475 120.154,52.125 U9.81@119.125,52.125
Port_D13: R82.1 U9.82 | length 49.2
  Top Layer w0.2: R82.1@98.7,28.55 v1(98.7,29.882) ; U9.82@119.125,52.625 v1(120.658,52.625)
  Bottom Layer w0.2: v1(98.7,29.882) 101.908,33.09 118.174,33.09 123.475,38.391 123.475,40.882 124.11,41.516 124.11,52.337 123.494,52.953 122.367,52.953 122.039,52.625 v1(120.658,52.625)
Port_D14: CON10.3 U9.85 | length 52.8
  Top Layer w0.2: CON10.3@112.245,77.78 113.499,79.034 118.066,79.034 120.7,76.4 124.7,76.4 127.637,73.463 127.637,65.642 v1(128.1,65.179) ; v1@117.5,54.3 v1@117.598,54.202 ; v1(117.592,54.125) U9.85@119.125,54.125
  Bottom Layer w0.2: v1(117.592,54.125) 113.725,57.992 113.725,60.698 115.552,62.525 118.138,62.525 119.098,63.485 121.889,63.485 123.028,64.625 127.546,64.625 v1(128.1,65.179)
Port_D15: CON10.13 U9.86 | length 73.9
  Top Layer w0.2: U9.86@119.125,54.625 v1(120.658,54.625) ; v1(130.375,76.1) 128.9,74.625 128.9,68.616 129.67,67.845 130.98,67.845 v1(131.75,67.075)
  Bottom Layer w0.2: CON10.13@109.705,75.24 110.959,76.494 115.304,76.494 116.055,75.743 116.055,74.737 116.806,73.986 118.203,73.986 119.417,75.2 125.949,75.2 125.953,75.204 126.247,75.204 126.251,75.2 129.475,75.2 v1(130.375,76.1) ; v1(120.658,54.625) 120.625,54.625 118.35,52.35 117.1,52.35 113.275,56.175 113.275,60.814 115.486,63.025 118.072,63.025 119.032,63.985 121.626,63.985 126.493,68.852 129.973,68.852 v1(131.75,67.075)
Port_E0: CON11.11 J16.2 U9.141 | length 69.8
  Top Layer w0.2: J16.2@45.25,77.617 v1(45.25,78.65) ; U9.141@101.25,67.5 101.25,66.167 101.45,65.967 101.717,65.967 v1(101.719,65.965)
  Bottom Layer w0.2: v1(45.25,78.65) 45.959,79.359 49.356,79.359 49.682,79.034 83.941,79.034 84.446,78.529 84.446,77.261 84.425,77.239 84.425,77.225 83.825,76.625 83.825,76.139 83.192,75.506 83.192,73.7 85.318,71.575 92.894,71.575 97.404,67.066 100.619,67.066 v1(101.719,65.965)
Port_E1: CON11.6 J17.2 U9.142 | length 69.4
  Top Layer w0.2: J17.2@43.75,77.617 v1(43.75,78.65) 44.46,79.359 49.356,79.359 49.682,79.034 81.938,79.034 CON11.6@83.192,77.78 ; v1@100.557,65.974 100.75,66.167 U9.142@100.75,67.5
  Bottom Layer w0.2: CON11.6@83.192,77.78 81.938,76.526 81.938,73.7 84.464,71.175 92.728,71.175 97.257,66.646 99.871,66.646 100.543,65.974 v1@100.557,65.974
  other v1: 100.557,65.965
Port_E2: U9.1 | length 1.5
  Top Layer w0.2: v1(96.342,65.625) U9.1@97.875,65.625
Port_E3: U9.2
Port_E4: CON8.16 U9.3 | length 28.8
  Top Layer w0.2: CON8.16@74.46,75.24 74.46,73.49 76,71.95 89.014,71.95 96.339,64.625 v1(96.342,64.625) U9.3@97.875,64.625
Port_E5: CON8.1 U9.4 | length 36.5
  Top Layer w0.2: U9.4@97.875,64.125 v1(99.408,64.125)
  Bottom Layer w0.2: CON8.1@74.6,77.9 73.206,76.506 73.206,73.7 74.081,72.825 82.248,72.825 84.298,70.775 92.563,70.775 97.092,66.246 97.283,66.246 99.404,64.125 v1(99.408,64.125)
Port_E6: CON8.15 U9.5 | length 33.3
  Top Layer w0.2: v1(96.342,63.625) U9.5@97.875,63.625
  Bottom Layer w0.2: CON8.15@71.92,75.24 71.92,73.7 73.195,72.425 82.072,72.425 84.122,70.375 92.397,70.375 95.525,67.247 95.525,64.439 96.339,63.625 v1(96.342,63.625)
Port_E7: CON4.5 CON9.14 D16.1 U9.58 | length 49.3
  Top Layer w0.2: U9.58@110.25,46.25 110.25,40.25 109.436,39.436 108.236,39.436 107.931,39.131 106.436,39.131 CON9.14@104.605,37.3 105.491,36.414 105.491,35.647 105.859,35.279 105.859,34.273 107.257,32.875 125.375,32.875 v1(125.425,32.825)
  Top Layer w0.254: D16.1@131.247,31.024 CON4.5@134.3,31.024
  Bottom Layer w0.2: v1(125.425,32.825) 132.078,32.825 133.879,31.024 CON4.5@134.3,31.024
Port_E8: CON4.4 CON9.4 D17.1 U9.59 | length 47.2
  Top Layer w0.2: U9.59@110.75,46.25 110.75,40.025 109.7,38.975 108.341,38.975 107.916,38.55 107.245,38.55 ccw(c107.145,37.3) 107.045,38.55 106.622,38.55 105.891,37.819 105.891,36.014 CON9.4@107.145,34.76 108.63,33.275 124.872,33.275 125.697,34.1 v1(125.9,34.1)
  Top Layer w0.254: D17.1@131.247,35.224 CON4.4@134.3,35.224
  Bottom Layer w0.2: v1(125.9,34.1) 133.176,34.1 CON4.4@134.3,35.224
Port_E9: CON9.13 U9.60 | length 11.6
  Top Layer w0.2: CON9.13@107.145,37.3 107.231,37.3 108.485,38.554 110.029,38.554 111.25,39.775 U9.60@111.25,46.25
Port_E10: CON9.5 U9.63 | length 16.9
  Top Layer w0.2: U9.63@112.75,46.25 v1(112.75,47.783)
  Bottom Layer w0.2: CON9.5@109.685,34.76 108.431,36.014 108.431,42.731 112.75,47.05 v1(112.75,47.783)
Port_E11: CON9.12 U9.64 | length 11.1
  Top Layer w0.2: CON9.12@109.685,37.3 111.885,39.5 113,39.5 113.25,39.75 U9.64@113.25,46.25
Port_E12: CON9.6 U9.65 | length 13.7
  Top Layer w0.2: CON9.6@112.225,34.76 111.909,35.076 111.909,35.878 110.996,36.791 110.996,37.809 112.287,39.1 113.2,39.1 113.75,39.65 U9.65@113.75,46.25
Port_E13: CON9.11 U9.66 | length 9.8
  Top Layer w0.2: CON9.11@112.225,37.3 114.25,39.325 U9.66@114.25,46.25
Port_E14: CON9.7 U9.67 | length 12.5
  Top Layer w0.2: U9.67@114.75,46.25 114.75,39.05 113.536,37.836 113.536,36.791 114.449,35.878 114.449,35.076 CON9.7@114.765,34.76
Port_E15: CON9.10 U9.68 | length 9.2
  Top Layer w0.2: CON9.10@114.765,37.3 114.765,37.746 115.25,38.231 U9.68@115.25,46.25
Port_F0: CON8.2 U9.10 | length 42.4
  Top Layer w0.2: U9.10@97.875,61.125 98.975,61.125 99.408,61.558 v1(99.408,62.125)
  Bottom Layer w0.2: CON8.2@71.92,77.78 70.665,76.525 70.665,75.241 70.665,73.7 72.34,72.025 81.906,72.025 83.956,69.975 92.231,69.975 95.125,67.081 95.125,63.756 96.756,62.125 v1(99.408,62.125)
Port_F1: CON8.14 U9.11 | length 43.8
  Top Layer w0.2: U9.11@97.875,60.625 98.775,60.625 98.984,60.416 100.216,60.416 v1(100.975,61.175)
  Bottom Layer w0.2: CON8.14@69.38,75.24 69.38,73.7 71.455,71.625 81.741,71.625 83.791,69.575 92.066,69.575 94.717,66.923 94.717,63.598 97.016,61.3 100.602,61.3 100.63,61.273 100.877,61.273 v1(100.975,61.175)
Port_F2: CON8.3 U9.12 | length 42.6
  Top Layer w0.2: v1(96.342,60.259) 96.48,60.259 96.615,60.125 U9.12@97.875,60.125
  Bottom Layer w0.2: CON8.3@69.38,77.78 68.126,76.526 68.126,73.7 70.601,71.225 81.575,71.225 83.625,69.175 91.9,69.175 94.317,66.758 94.317,63.433 96.342,61.408 v1(96.342,60.259)
Port_F3: J26.2 U9.13 | length 41.6
  Top Layer w0.2: J26.2@70,55.8 70,57.225 72.192,59.417 73.742,59.417 75.021,60.696 79.396,60.696 85.2,66.5 88.075,66.5 v1(89.15,67.575) ; U9.13@97.875,59.625 v1(99.408,59.625)
  Bottom Layer w0.2: v1(89.15,67.575) 89.15,67.2 90.486,65.864 90.486,65.263 95.05,60.698 95.05,59.766 95.791,59.025 98.804,59.025 99.404,59.625 v1(99.408,59.625)
Port_F4: J27.2 U9.14 | length 30.6
  Top Layer w0.2: J27.2@76,55.8 76,56.4 77.075,57.475 77.075,59.125 77.846,59.896 79.732,59.896 85.536,65.7 87.825,65.7 v1(89.15,64.375) ; v1(93.7,59.85) 94.425,59.125 U9.14@97.875,59.125
  Bottom Layer w0.2: v1(89.15,64.375) 90.241,64.375 93.7,60.916 v1(93.7,59.85)
Port_F5: J28.2 U9.15 | length 36.8
  Top Layer w0.2: J28.2@74.5,55.8 74.5,57.15 74.2,57.45 74.2,59.309 75.187,60.296 79.567,60.296 85.371,66.1 89.081,66.1 v1(89.15,66.031) ; U9.15@97.875,58.625 v1(99.408,58.625)
  Bottom Layer w0.2: v1(89.15,66.031) 94.65,60.531 94.65,59.6 95.625,58.625 v1(99.408,58.625)
Port_F6: CON8.13 U9.18 | length 43.6
  Top Layer w0.2: U9.18@97.875,57.125 v1(99.408,57.125)
  Bottom Layer w0.2: CON8.13@66.84,75.24 66.84,73.7 69.715,70.825 81.36,70.825 87.26,64.925 88.735,63.45 90.6,63.45 91.685,62.365 91.685,60.5 93.756,58.429 94.732,58.429 95.011,58.15 96.584,58.15 97.608,57.126 v1(99.408,57.125)
Port_F7: CON8.4 U9.19 | length 45.5
  Top Layer w0.2: v1@89.175,61.7 89.175,59.875 v1@89.214,59.836 ; v1(96.342,56.625) U9.19@97.875,56.625
  Bottom Layer w0.2: CON8.4@66.84,77.78 65.586,76.526 65.586,73.7 68.861,70.425 81.194,70.425 89.152,62.467 89.152,61.702 v1(89.15,61.7) ; v1@89.15,59.836 91.102,59.836 93.313,57.625 94.404,57.625 94.92,57.109 95.858,57.109 v1(96.342,56.625)
  other v1: 89.15,59.831
Port_F8: CON8.12 U9.20 | length 46.4
  Top Layer w0.2: U9.20@97.875,56.125 v1(99.408,56.125)
  Bottom Layer w0.2: CON8.12@64.3,75.24 64.3,73.7 67.975,70.025 80.625,70.025 81.028,70.025 87.902,63.151 87.902,61.523 88.725,60.7 90.919,60.7 93.59,58.029 94.566,58.029 94.845,57.75 96.418,57.75 98.043,56.125 v1(99.408,56.125)
Port_F9: CON8.5 U9.21 | length 49.7
  Top Layer w0.2: v1(96.342,55.625) U9.21@97.875,55.625
  Bottom Layer w0.2: CON8.5@64.3,77.78 63.046,76.526 63.046,73.7 67.121,69.625 80.431,69.625 80.863,69.625 87.502,62.986 87.502,58.223 88.575,57.15 91.459,57.15 92.984,55.625 v1(96.342,55.625)